# Altium PCB BaseBoard.PcbDoc (part 3 of 3)
Units mm, origin at the board's own origin, x right, y up, seen from the top; angles counter-clockwise.
Board outline 100 x 99.95 mm, 2 copper layers (Top Layer, Bottom Layer), stack 1.57 mm thick; 129 components, 191 nets, 936 pads, 326 vias.
Unrouted connection lines stored in the file: 13.
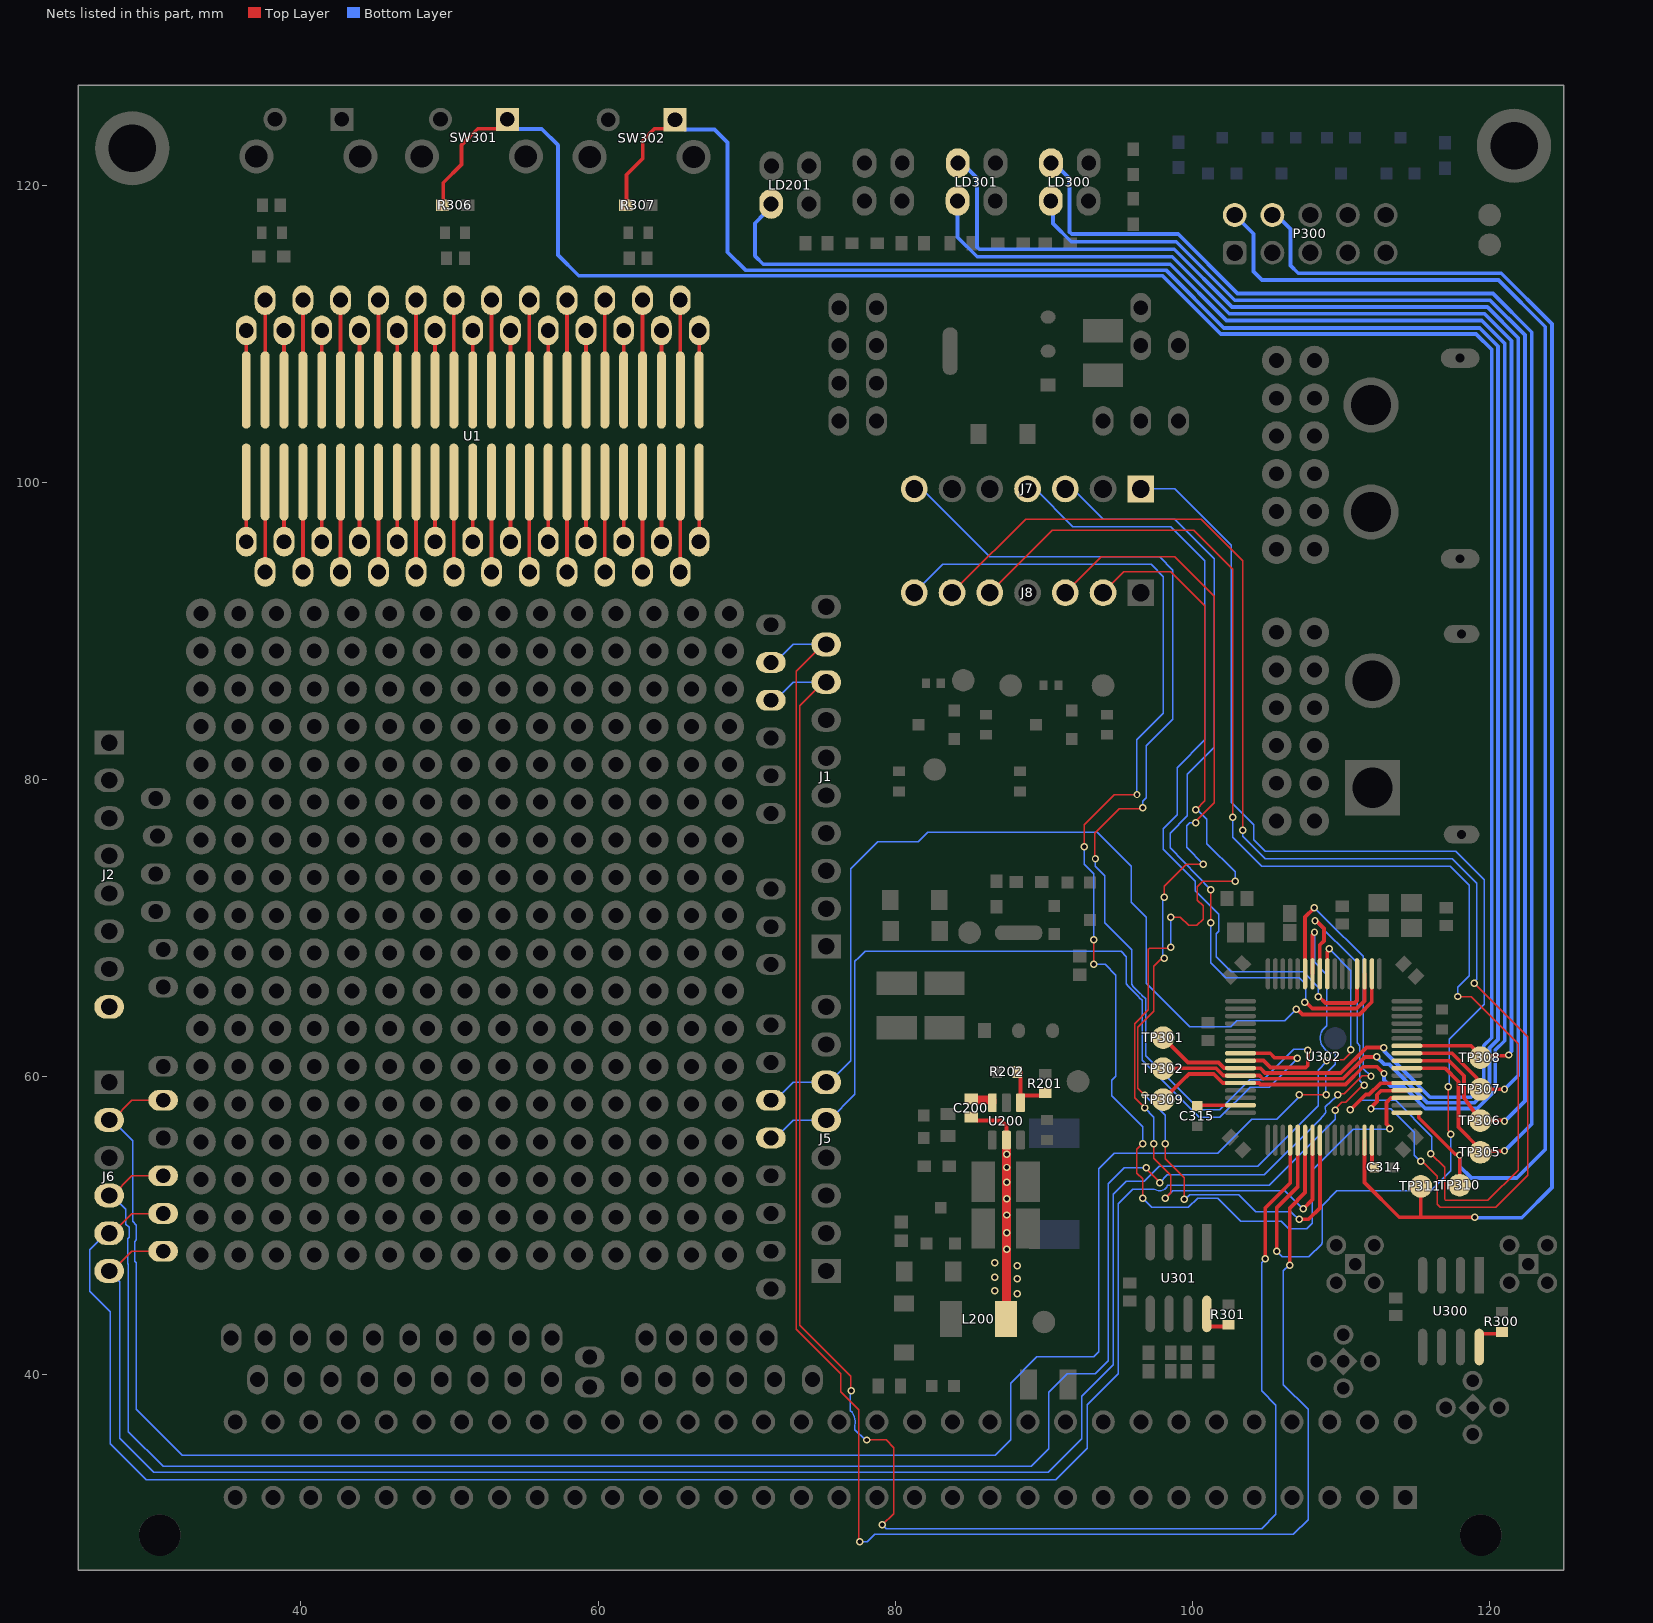
[diagram p3: the nets of this part, all layers, seen from the top]

## Via types
v1: diameter 0.5, hole 0.3, Top Layer to Bottom Layer, tented both sides, 326 vias

## Nets (pads, with @x,y where several pads share a name; then routed paths per layer and width w, separated by ;. In a path a pad name is that pad's centre, name@x,y a point inside that pad or via, vN(x,y) a via of type N, cw(c..) or ccw(c..) an arc to the next point about the centre after c; other vN are vias at no path point) (continued)
PB15: J1.8 pad.604 U302.36 | length 118.9
  Top Layer w0.1: J1.8@75.352,86.557 75.152,86.557 73.56,84.966 73.56,43.28 76.996,39.844 76.996,38.908 v1(77.025,38.879) ; v1(78.08,35.56) 79.375,35.56 79.883,35.052 79.883,30.607 v1(79.121,29.845)
  Top Layer w0.254: v1(104.902,47.752) 104.902,51.181 106.577,52.856 U302.36@106.577,55.734
  Bottom Layer w0.1: pad.604@71.628,85.344 71.928,85.344 73.141,86.557 J1.8@75.352,86.557 ; v1(77.025,38.879) 76.97,38.824 76.97,37.597 76.97,37.556 76.983,37.543 cw(c76.22,36.78) 77.292,36.658 77.284,36.59 77.284,36.254 77.978,35.56 v1(78.08,35.56) ; v1(79.121,29.845) 79.375,29.591 104.648,29.591 105.621,30.564 105.621,30.937 105.621,37.889 104.648,38.862 104.648,47.498 v1(104.902,47.752)
PC0: J6.6 pad.629 U302.8 | length 130.3
  Top Layer w0.1: J6.6@27.092,46.933 27.292,46.933 28.618,48.26 pad.629@30.734,48.26 ; v1(109.018,61.096) 109.086,61.164 110.186,61.164 110.576,61.554 110.576,61.737 v1(110.652,61.814)
  Top Layer w0.254: U302.8@109.077,66.934 109.077,68.417 109.2,68.539 v1(109.2,68.605)
  Bottom Layer w0.1: J6.6@27.092,46.915 27.813,46.194 27.813,35.687 30.099,33.401 90.297,33.401 92.539,35.643 92.539,38.508 94.671,40.64 94.671,52.094 95.537,52.959 96.749,52.959 97.765,53.975 104.394,53.975 108.458,58.039 108.458,60.452 109.018,61.012 v1(109.018,61.096) ; v1(109.2,68.605) 110.652,67.153 v1(110.652,61.814)
PC1: J6.5 pad.628 U302.9 | length 141.5
  Top Layer w0.1: J6.5@27.092,49.473 27.292,49.473 28.618,50.8 pad.628@30.734,50.8 ; v1(109.601,57.742) 109.601,57.851 109.982,58.232 109.982,58.236 110.041,58.295 110.318,58.295 111.332,59.309 111.333,59.309 111.458,59.434 v1(111.566,59.434)
  Top Layer w0.254: v1(108.245,70.511) 108.311,70.511 108.474,70.348 108.844,69.978 108.844,69.142 108.569,68.867 108.569,66.943 U302.9@108.577,66.934
  Bottom Layer w0.1: J6.5@26.979,49.361 J6.5@27.092,49.473 26.892,49.473 25.788,48.369 25.788,45.586 27.178,44.196 27.178,35.306 29.591,32.893 90.805,32.893 92.921,35.009 92.921,37.93 94.996,40.005 94.996,51.458 95.989,52.451 97.437,52.451 ccw(c97.79,52.878) 97.786,52.324 ccw(c97.79,52.781) 97.79,52.324 ccw(c97.79,52.878) 98.3,52.662 98.343,52.705 105.156,52.705 109.601,57.15 v1(109.601,57.742) ; v1(108.245,70.511) 111.077,67.679 111.077,62.278 111.264,62.091 111.264,59.736 v1(111.566,59.434)
PC2: J6.2 pad.625 U302.10 | length 140.7
  Top Layer w0.1: J6.2@27.092,57.093 27.292,57.093 28.618,58.42 pad.625@30.734,58.42 ; v1(107.188,58.805) v1(109.012,58.805)
  Top Layer w0.254: U302.10@108.077,66.934 108.077,69.545 108.213,69.681 v1(108.213,69.717)
  Bottom Layer w0.1: J6.2@27.092,57.093 27.292,57.093 28.679,55.706 28.679,50.275 28.929,50.025 28.929,49.035 28.812,48.918 28.812,47.602 28.929,47.485 28.929,37.619 32.004,34.544 86.741,34.544 87.757,35.56 87.757,39.37 89.535,41.148 93.345,41.148 93.697,41.5 93.697,53.819 94.742,54.864 101.706,54.864 103.974,57.132 105.658,57.132 107.077,58.551 107.077,58.585 107.188,58.697 v1(107.188,58.805) ; v1(108.213,69.717) 108.213,67.699 109.027,66.886 109.027,63.432 108.993,63.398 ccw(c109.605,62.593) 109.605,61.581 109.608,61.577 109.608,60.84 108.966,60.198 108.966,58.851 v1(109.012,58.805)
PC3: J6.4 pad.627 U302.11 | length 144.2
  Top Layer w0.1: J6.4@27.092,52.013 27.292,52.013 28.618,53.34 pad.627@30.734,53.34 ; v1(96.878,53.871) 96.878,53.831 97.79,52.919 v1(97.79,52.878) ; v1(109.766,58.805) 109.819,58.858 110.202,58.858 111.409,60.066 112,60.066 v1(112.014,60.052)
  Top Layer w0.254: U302.11@107.582,66.939 107.577,66.943 107.577,70.747 v1(108.204,71.374)
  Bottom Layer w0.1: J6.4@27.092,52.013 27.292,52.013 28.225,51.08 28.225,50.087 28.448,49.864 28.448,49.196 28.358,49.106 28.358,47.414 28.395,47.377 28.395,46.97 cw(c27.292,46.933) 28.395,46.896 28.395,36.121 28.424,36.092 30.734,33.782 89.154,33.782 90.33,34.958 90.33,38.768 91.567,40.005 93.457,40.005 94.346,40.894 94.346,52.807 95.41,53.871 v1(96.878,53.871) ; v1(97.79,52.878) 98.306,53.394 104.829,53.394 108.56,57.125 ccw(c105.47,60.214) 108.938,57.556 ccw(c105.47,60.214) 108.958,57.583 108.958,57.618 108.949,57.946 108.949,57.989 108.981,58.02 108.983,58.022 109.684,58.649 109.715,58.68 v1(109.766,58.805) ; v1(108.204,71.374) 108.966,70.612 111.477,68.101 111.506,68.072 111.506,61.3 111.506,60.56 v1@112.01,60.056
PC4: J5.5 pad.614 U302.24 | length 59.6
  Top Layer w0.254: U302.24@103.227,61.584 105.229,61.584 105.524,61.29 107.034,61.29 v1(107.061,61.263)
  Bottom Layer w0.1: pad.614@71.628,55.88 71.928,55.88 73.141,57.093 J5.5@75.352,57.093 75.552,57.093 77.28,58.822 77.28,67.764 77.562,68.045 77.57,68.045 77.978,68.453 95.192,68.453 95.552,68.092 95.552,66.258 95.688,66.081 96.34,65.429 cw(c95.837,64.832) 96.434,65.335 96.624,65.145 96.624,61.11 100.459,57.275 101.84,57.275 103.872,59.306 105.157,59.306 107.061,61.21 v1(107.061,61.263)
PC5: J7.7 U302.25 | length 76.3
  Top Layer w0.1: v1(93.472,74.676) 93.415,74.733 93.415,75.549 93.413,75.551 93.413,76.395 95.058,78.04 96.582,78.04 v1(96.647,78.105)
  Top Layer w0.254: U302.25@103.227,61.084 104.14,61.084 104.163,61.107 104.779,61.107 105.255,60.632 107.616,60.632 107.765,60.78 v1(107.765,61.778)
  Bottom Layer w0.1: J7.7@81.788,99.568 86.36,94.996 97.79,94.996 98.679,94.107 98.679,84.074 96.901,82.296 96.901,78.795 96.647,78.541 v1(96.647,78.105) ; v1(93.472,74.676) 93.472,74.168 94.107,73.533 94.107,70.358 95.915,68.55 95.915,66.217 96.018,66.072 96.494,65.596 cw(c95.837,64.832) 96.601,65.489 96.851,65.239 96.851,61.43 100.503,57.778 101.847,57.778 103.859,59.79 104.748,59.79 106.818,61.86 107.507,61.86 107.512,61.855 107.689,61.855 v1(107.765,61.778)
PC6: J7.1 U302.37 | length 88.7
  Top Layer w0.1: v1(117.21,59.345) 117.21,56.393 117.377,56.225 v1(117.377,56.134)
  Top Layer w0.254: v1(105.664,48.26) 105.664,51.181 107.077,52.594 U302.37@107.077,55.734
  Bottom Layer w0.1: J7.1@97.028,99.568 98.806,99.568 102.616,95.758 102.616,78.486 104.14,76.962 104.14,75.946 104.902,75.184 117.729,75.184 119.634,73.279 119.634,64.897 117.271,62.534 117.271,59.406 v1(117.21,59.345) ; v1(105.664,48.26) 106.045,47.879 107.823,47.879 108.684,48.74 108.708,48.764 cw(c109.677,48.666) 108.717,48.831 108.717,51.335 109.707,52.324 116.037,52.324 117.377,53.665 v1(117.377,56.134)
PC7: J1.9 pad.603 U302.38 | length 125.2
  Top Layer w0.1: J1.9@75.352,89.097 75.152,89.097 73.333,87.279 73.333,42.999 76.33,40.002 76.33,38.791 77.526,37.595 77.526,36.874 77.526,36.623 77.526,28.773 v1(77.597,28.702)
  Top Layer w0.254: v1(106.553,47.325) 106.553,51.181 107.577,52.205 U302.38@107.577,55.734
  Bottom Layer w0.1: pad.603@71.628,87.884 71.928,87.884 73.141,89.097 J1.9@75.352,89.097 J1.9@75.552,89.097 ; v1(77.597,28.702) 78.105,28.702 78.613,29.21 106.79,29.21 107.779,30.199 107.779,37.636 106.121,39.294 106.121,46.939 106.507,47.325 v1(106.553,47.325)
PC8: J8.2 U302.39 | length 71.9
  Top Layer w0.1: J8.2@94.615,93.218 95.377,93.98 98.552,93.98 100.838,91.694 100.838,78.573 100.243,77.978 v1(100.222,77.978) ; v1(96.774,57.912) 96.1,58.586 96.1,63.588 97.034,64.522 97.034,68.586 97.114,68.666 98.511,68.666 v1(98.552,68.707) ; v1(97.401,55.499) 97.401,54.526 98.552,53.375 98.552,52.197 v1(98.171,51.816) ; v1(98.552,70.739) 99.183,70.739 99.737,70.185 100.284,70.185 100.711,70.612 100.711,71.501 100.33,71.882 100.33,72.798 100.684,73.152 v1(102.87,73.152)
  Top Layer w0.254: v1(107.45,51.11) 108.077,51.737 U302.39@108.077,55.734
  Bottom Layer w0.1: v1(96.774,57.912) 97.401,57.285 v1(97.401,55.499) ; v1(98.171,51.816) 98.679,52.324 106.219,52.324 107.123,51.42 107.181,51.362 v1(107.45,51.11) ; v1(98.552,68.707) v1(98.552,70.739) ; v1(100.222,77.978) 100.33,77.978 100.965,77.343 100.965,75.692 102.87,73.787 v1(102.87,73.152)
PC9: J8.3 U302.40 | length 72
  Top Layer w0.1: J8.3@92.075,93.218 93.853,94.996 98.806,94.996 101.473,92.329 101.473,78.446 100.222,77.195 v1(100.222,77.089) ; v1(96.799,58.776) 96.327,59.248 96.327,63.33 97.409,64.412 97.409,67.437 97.841,67.869 97.865,67.869 97.982,67.985 v1(98.09,67.985) ; v1(98.09,72.09) 98.09,72.817 99.568,74.295 100.711,74.295 v1(100.722,74.306) ; v1(98.155,55.499) 98.155,54.499 99.444,53.21 v1(99.444,51.77)
  Top Layer w0.254: v1(107.184,50.405) 107.19,50.411 107.815,50.411 108.577,51.173 U302.40@108.577,55.734
  Bottom Layer w0.1: v1(96.799,58.776) 98.155,57.42 v1(98.155,55.499) ; v1(98.09,67.985) 98.013,68.062 98.013,68.229 97.998,68.244 97.998,71.89 98.09,71.982 v1(98.09,72.09) ; v1(99.444,51.77) 99.526,51.77 99.826,52.07 103.124,52.07 104.267,50.927 106.615,50.927 106.842,50.7 v1(107.184,50.405) ; v1(100.222,77.089) 99.822,77.089 99.614,76.881 99.614,75.433 100.711,74.295 v1(100.722,74.306)
PC10: J8.7 U302.51 | length 90.8
  Top Layer w0.1: v1(92.71,75.496) 92.71,76.962 94.742,78.994 96.262,78.994 v1(96.266,78.998) ; v1(93.345,67.564) v1(93.345,69.215) ; v1(96.647,51.816) 96.647,53.14 96.266,53.521 96.266,55.118 v1(96.647,55.499)
  Top Layer w0.254: v1(113.284,56.515) 113.284,56.582 113.05,56.815 113.05,58.282 113.344,58.576 114.419,58.576 U302.51@114.427,58.584
  Bottom Layer w0.1: J8.7@81.915,93.218 83.185,94.488 97.223,94.488 98.044,93.667 98.044,84.455 96.266,82.677 v1(96.266,78.998) ; v1(92.71,75.496) 92.71,74.295 93.345,73.66 v1(93.345,69.215) ; v1(93.345,67.564) 94.122,67.564 94.84,66.846 94.84,60.042 94.573,59.775 94.573,58.728 96.647,56.654 v1(96.647,55.499) ; v1(96.647,51.816) 97.247,51.216 99.73,51.216 100.357,51.843 101.7,51.843 103.251,50.292 105.985,50.292 106.493,49.784 107.696,49.784 108.018,50.106 108.048,50.136 108.077,50.165 108.077,53.721 110.815,56.459 113.228,56.459 v1(113.284,56.515)
PC11: J8.6 U302.52 | length 98.1
  Top Layer w0.1: J8.6@84.455,93.218 88.773,97.536 100.584,97.536 103.389,94.731 v1(103.389,76.592) ; v1(115.353,54.319) 115.462,54.319 116.459,53.321 116.459,51.435 116.686,51.208 120.394,51.208 122.555,53.369 122.555,62.692 v1(118.953,66.294)
  Top Layer w0.254: v1(112.014,57.866) 112.014,57.933 112.42,58.339 112.42,58.799 112.682,59.061 113.472,59.061 113.492,59.061 113.515,59.084 U302.52@114.427,59.084
  Bottom Layer w0.1: v1(103.389,76.592) 103.389,76.189 104.902,74.676 117.475,74.676 119.126,73.025 119.126,66.553 118.953,66.38 v1(118.953,66.294) ; v1(112.014,57.866) 113.33,57.866 114.935,56.261 114.935,54.718 115.335,54.319 v1(115.353,54.319)
PC12: J8.5 U302.53 | length 97
  Top Layer w0.1: J8.5@86.995,93.218 90.551,96.774 100.076,96.774 102.697,94.153 v1(102.697,77.47) ; v1(116.032,54.837) 116.967,53.902 116.967,51.748 117.026,51.689 119.888,51.689 121.92,53.721 121.92,62.23 118.745,65.405 v1(117.856,65.405)
  Top Layer w0.254: v1(110.617,57.785) 110.642,57.785 111.659,58.803 111.885,58.803 112.644,59.561 113.492,59.561 113.515,59.584 U302.53@114.427,59.584
  Bottom Layer w0.1: v1(102.697,77.47) 102.697,76.119 104.648,74.168 117.348,74.168 118.618,72.898 118.618,66.802 117.856,66.04 v1(117.856,65.405) ; v1(110.617,57.785) 111.252,58.42 113.665,58.42 116.111,55.974 116.111,55.193 116.109,55.191 116.109,54.914 v1(116.032,54.837)
PC13: J5.6 pad.613 U302.2 | length 67.8
  Top Layer w0.254: v1(106.972,64.558) 107.039,64.558 107.397,64.2 107.861,64.2 111.24,64.2 112.069,65.028 112.069,66.926 U302.2@112.077,66.934
  Bottom Layer w0.1: pad.613@71.628,58.42 71.928,58.42 73.141,59.633 J5.6@75.352,59.633 75.552,59.633 76.986,61.068 76.986,73.992 78.829,75.835 81.55,75.835 82.169,76.454 93.599,76.454 95.885,74.168 95.885,71.755 96.898,70.742 96.898,66.296 99.821,63.373 102.575,63.373 102.983,63.781 106.195,63.781 v1(106.972,64.558)
PC14: J7.3 U302.3 | length 55.4
  Top Layer w0.1: v1(101.219,70.358) v1(101.219,72.598)
  Top Layer w0.254: v1(107.569,65.024) 107.634,65.024 108.066,64.592 111.054,64.592 111.569,65.107 111.569,66.926 U302.3@111.577,66.934
  Bottom Layer w0.1: J7.3@91.948,99.568 93.98,97.536 98.806,97.536 101.473,94.869 101.473,82.169 99.655,80.351 99.655,77.557 98.506,76.408 98.506,75.4 v1(101.219,72.598) ; v1(101.219,70.358) 101.219,67.691 102.235,66.675 107.188,66.675 107.631,66.232 107.631,65.086 v1(107.569,65.024)
PC15: J7.4 U302.4 | length 55.9
  Top Layer w0.254: v1(108.473,65.389) 108.533,65.389 108.949,64.973 110.896,64.973 111.069,65.145 111.069,66.926 U302.4@111.077,66.934
  Bottom Layer w0.1: J7.4@89.408,99.568 91.948,97.028 98.552,97.028 100.838,94.742 100.838,82.677 98.967,80.806 98.967,77.631 98.044,76.708 98.044,75.311 100.203,73.152 100.203,72.517 101.773,70.947 101.773,69.797 101.6,69.624 101.6,68.072 102.616,67.056 107.442,67.056 108.473,66.025 v1(108.473,65.389)
PR1: pad.576 U1.1@36.322,100.024 | length 4
  Top Layer w0.254: pad.576@36.322,96.012 U1.1@36.322,100.024
PR2: pad.577 U1.2@37.592,100.024 | length 6
  Top Layer w0.254: pad.577@37.592,93.98 U1.2@37.592,100.024
PR3: pad.578 U1.3@38.862,100.024 | length 4
  Top Layer w0.254: pad.578@38.862,96.012 U1.3@38.862,100.024
PR4: pad.579 U1.4@40.132,100.024 | length 6
  Top Layer w0.254: pad.579@40.132,93.98 U1.4@40.132,100.024
PR5: pad.580 U1.5 | length 4
  Top Layer w0.254: pad.580@41.402,96.012 U1.5@41.402,100.024
PR6: pad.581 U1.6 | length 6
  Top Layer w0.254: pad.581@42.672,93.98 U1.6@42.672,100.024
PR7: pad.582 U1.7 | length 4
  Top Layer w0.254: pad.582@43.942,96.012 U1.7@43.942,100.024
PR8: pad.583 U1.8 | length 6
  Top Layer w0.254: pad.583@45.212,93.98 U1.8@45.212,100.024
PR9: pad.584 U1.9 | length 4
  Top Layer w0.254: pad.584@46.482,96.012 U1.9@46.482,100.024
PR10: pad.585 U1.10 | length 6
  Top Layer w0.254: pad.585@47.752,93.98 U1.10@47.752,100.024
PR11: pad.586 U1.11 | length 4
  Top Layer w0.254: pad.586@49.022,96.012 U1.11@49.022,100.024
PR12: pad.587 U1.12 | length 6
  Top Layer w0.254: pad.587@50.292,93.98 U1.12@50.292,100.024
PR13: pad.588 U1.13 | length 4
  Top Layer w0.254: pad.588@51.562,96.012 U1.13@51.562,100.024
PR14: pad.589 U1.14 | length 6
  Top Layer w0.254: pad.589@52.832,93.98 U1.14@52.832,100.024
PR15: pad.590 U1.15 | length 4
  Top Layer w0.254: pad.590@54.102,96.012 U1.15@54.102,100.024
PR16: pad.591 U1.16 | length 6
  Top Layer w0.254: pad.591@55.372,93.98 U1.16@55.372,100.024
PR17: pad.592 U1.17 | length 4
  Top Layer w0.254: pad.592@56.642,96.012 U1.17@56.642,100.024
PR18: pad.593 U1.18 | length 6
  Top Layer w0.254: pad.593@57.912,93.98 U1.18@57.912,100.024
PR19: pad.594 U1.19 | length 4
  Top Layer w0.254: pad.594@59.182,96.012 U1.19@59.182,100.024
PR20: pad.595 U1.20 | length 6
  Top Layer w0.254: pad.595@60.452,93.98 U1.20@60.452,100.024
PR21: pad.596 U1.21 | length 4
  Top Layer w0.254: pad.596@61.722,96.012 U1.21@61.722,100.024
PR22: pad.597 U1.22 | length 6
  Top Layer w0.254: pad.597@62.992,93.98 U1.22@62.992,100.024
PR23: pad.598 U1.23 | length 4
  Top Layer w0.254: pad.598@64.262,96.012 U1.23@64.262,100.024
PR24: pad.599 U1.24 | length 6
  Top Layer w0.254: pad.599@65.532,93.98 U1.24@65.532,100.024
PR25: pad.600 U1.25 | length 4
  Top Layer w0.254: pad.600@66.802,96.012 U1.25@66.802,100.024
PR26: pad.575 U1.26 | length 4
  Top Layer w0.254: U1.26@66.802,106.224 pad.575@66.802,110.236
PR27: pad.574 U1.27 | length 6
  Top Layer w0.254: U1.27@65.532,106.224 pad.574@65.532,112.268
PR28: pad.573 U1.28 | length 4
  Top Layer w0.254: U1.28@64.262,106.224 pad.573@64.262,110.236
PR29: pad.572 U1.29 | length 6
  Top Layer w0.254: U1.29@62.992,106.224 pad.572@62.992,112.268
PR30: pad.571 U1.30 | length 4
  Top Layer w0.254: U1.30@61.722,106.224 pad.571@61.722,110.236
PR31: pad.570 U1.31 | length 6
  Top Layer w0.254: U1.31@60.452,106.224 pad.570@60.452,112.268
PR32: pad.569 U1.32 | length 4
  Top Layer w0.254: U1.32@59.182,106.224 pad.569@59.182,110.236
PR33: pad.568 U1.33 | length 6
  Top Layer w0.254: U1.33@57.912,106.224 pad.568@57.912,112.268
PR34: pad.567 U1.34 | length 4
  Top Layer w0.254: U1.34@56.642,106.224 pad.567@56.642,110.236
PR35: pad.566 U1.35 | length 6
  Top Layer w0.254: U1.35@55.372,106.224 pad.566@55.372,112.268
PR36: pad.565 U1.36 | length 4
  Top Layer w0.254: U1.36@54.102,106.224 pad.565@54.102,110.236
PR37: pad.564 U1.37 | length 6
  Top Layer w0.254: U1.37@52.832,106.224 pad.564@52.832,112.268
PR38: pad.563 U1.38 | length 4
  Top Layer w0.254: U1.38@51.562,106.224 pad.563@51.562,110.236
PR39: pad.562 U1.39 | length 6
  Top Layer w0.254: U1.39@50.292,106.224 pad.562@50.292,112.268
PR40: pad.561 U1.40 | length 4
  Top Layer w0.254: U1.40@49.022,106.224 pad.561@49.022,110.236
PR41: pad.560 U1.41 | length 6
  Top Layer w0.254: U1.41@47.752,106.224 pad.560@47.752,112.268
PR42: pad.559 U1.42 | length 4
  Top Layer w0.254: U1.42@46.482,106.224 pad.559@46.482,110.236
PR43: pad.558 U1.43 | length 6
  Top Layer w0.254: U1.43@45.212,106.224 pad.558@45.212,112.268
PR44: pad.557 U1.44 | length 4
  Top Layer w0.254: U1.44@43.942,106.224 pad.557@43.942,110.236
PR45: pad.556 U1.45 | length 6
  Top Layer w0.254: U1.45@42.672,106.224 pad.556@42.672,112.268
PR46: pad.555 U1.46 | length 4
  Top Layer w0.254: U1.46@41.402,106.224 pad.555@41.402,110.236
PR47: pad.554 U1.47 | length 6
  Top Layer w0.254: U1.47@40.132,106.224 pad.554@40.132,112.268
PR48: pad.553 U1.48 | length 4
  Top Layer w0.254: U1.48@38.862,106.224 pad.553@38.862,110.236
PR49: pad.552 U1.49 | length 6
  Top Layer w0.254: U1.49@37.592,106.224 pad.552@37.592,112.268
PR50: pad.551 U1.50 | length 4
  Top Layer w0.254: U1.50@36.322,106.224 pad.551@36.322,110.236
RS1: R300.2 U300.8 | length 2
  Top Layer w0.254: U300.8@119.47,42.532 119.389,42.451 119.3,42.362 119.3,42.54 119.381,42.621 119.47,42.71 R300.2@120.817,42.71
RS2: R301.2 U301.8 | length 2.4
  Top Layer w0.254: U301.8@100.965,44.043 100.965,43.363 101.135,43.193 R301.2@102.413,43.193 ; U301.8@100.965,44.402 U301.8@101.135,44.572
SW_5V: C200.2 L200.1 U200.2 | length 15.5
  Top Layer w0.254: C200.2@85.281,57.31 85.525,57.065 86.379,57.065 86.384,57.06 87.13,57.06 87.477,56.713 U200.2@87.477,55.746
  Top Layer w0.6: L200.1@87.45,43.7 87.472,43.722 87.472,55.741 U200.2@87.477,55.746
  other v1: 88.2,45.4 86.7,45.6 88.2,46.4 86.7,46.5 88.2,47.3 86.7,47.5 87.5,48.4 87.5,49.5 87.5,50.7 87.5,51.8 87.5,52.9 87.5,53.9 87.5,54.8
SWCLK: P300.2 TP310.1 U302.49 | length 95.5
  Top Layer w0.254: U302.49@114.427,57.584 115.205,57.584 115.226,57.563 115.226,57.24 117.682,54.784 117.936,54.784 v1(117.983,54.737) TP310.1@117.983,52.705
  Bottom Layer w0.254: P300.2@102.84,118 104.1,116.74 104.1,114.2 104.676,113.624 120.597,113.624 123.742,110.479 123.742,55.112 121.818,53.188 118.77,53.188 117.983,53.975 v1(117.983,54.737)
SWDIO: P300.4 TP311.1 U302.46 | length 101.3
  Top Layer w0.254: U302.46@111.577,55.734 111.577,54.386 111.576,54.384 111.576,53.413 111.577,53.412 111.577,52.888 113.919,50.546 115.316,50.546 ; TP311.1@115.169,52.132 115.169,52.233 TP311.1@115.367,52.629 115.367,50.597 115.316,50.546 ; v1(118.999,50.546) 115.316,50.546
  Bottom Layer w0.254: P300.4@105.38,118 105.663,118 106.6,117.063 106.6,114.6 107.122,114.078 120.785,114.078 124.196,110.667 124.196,52.556 122.161,50.521 119.024,50.521 v1(118.999,50.546)
USER_BUTTON_0: R306.1 SW301.1 TP301.1 U302.26 | length 160.4
  Top Layer w0.254: R306.1@49.575,118.659 49.575,120.175 50.8,121.4 50.8,122.7 51.9,123.8 53.248,123.8 SW301.1@53.89,124.442 ; TP301.1@98.026,62.636 99.703,60.96 101.745,60.96 102.111,60.593 103.219,60.593 U302.26@103.227,60.584 104.555,60.584 104.889,60.251 109.981,60.251 111.703,61.973 112.858,61.973 v1(112.883,61.947) ; TP301.1@98.571,62.427 TP301.1@98.571,62.636
  Bottom Layer w0.254: SW301.1@53.89,124.442 54.538,123.794 56.206,123.794 57.3,122.7 57.3,115.3 58.693,113.907 97.993,113.907 101.9,110 119.085,110 120.142,108.943 120.142,62.634 119.607,62.099 119.607,59.491 118.746,58.63 115.995,58.63 114.443,60.182 112.93,61.695 112.93,61.9 v1(112.883,61.947)
USER_BUTTON_1: R307.1 SW302.1 TP302.1 U302.27 | length 148.3
  Top Layer w0.254: R307.1@61.905,118.659 61.905,120.705 63,121.8 63,123 63.8,123.8 64.571,123.8 SW302.1@65.18,124.409 ; TP302.1@98.026,60.551 98.054,60.579 101.587,60.579 102.073,60.093 103.219,60.093 U302.27@103.227,60.084 104.517,60.084 104.732,59.87 110.139,59.87 111.611,61.341 v1(112.395,61.341)
  Bottom Layer w0.254: SW302.1@65.18,124.409 65.828,123.761 67.839,123.761 68.711,122.889 68.711,115.489 69.912,114.288 98.212,114.288 102.1,110.4 119.327,110.4 120.566,109.161 120.566,62.519 119.988,61.941 119.988,59.27 118.967,58.249 115.822,58.249 113.217,60.854 112.882,60.854 v1(112.395,61.341)
USER_LED_0: LD201.3 TP309.1 U302.28 | length 132.5
  Top Layer w0.254: TP309.1@98.026,58.465 99.293,59.732 99.76,60.198 101.429,60.198 102.034,59.593 104.131,59.593 104.149,59.576 104.487,59.576 104.574,59.489 110.297,59.489 111.491,60.683 112.429,60.683 v1(112.888,60.223)
  Bottom Layer w0.254: LD201.3@71.19,118.235 71.19,118.124 71.208,118.106 70.551,117.449 70.551,115.25 71.12,114.681 98.503,114.681 102.284,110.9 119.469,110.9 121.018,109.351 121.018,62.433 120.369,61.783 120.369,59.077 119.16,57.868 115.664,57.868 114.159,59.373 113.308,59.373 112.888,59.793 v1(112.888,60.223)
USER_LED_1: LD300.1 TP305.1 U302.55 | length 106.3
  Top Layer w0.254: U302.55@114.427,60.584 116.985,60.584 117.896,59.673 117.896,56.602 119.372,55.126 TP305.1@119.372,54.921 ; TP305.1@119.372,54.991 120.953,54.991 v1(121,55.038)
  Bottom Layer w0.254: LD300.1@90.481,122.011 90.481,121.701 91.726,120.456 91.726,116.862 91.875,116.713 99.039,116.713 103.036,112.716 120.221,112.716 122.834,110.103 122.834,56.834 121.038,55.038 v1(121,55.038)
USER_LED_2: LD300.3 TP306.1 U302.56 | length 99.8
  Top Layer w0.254: U302.56@114.427,61.084 114.436,61.076 117.278,61.076 118.277,60.076 118.277,58.599 119.372,57.077 120.923,57.077 v1(121,57)
  Bottom Layer w0.254: LD300.3@90.464,119.514 90.616,119.362 90.616,117.433 91.844,116.205 98.905,116.205 102.848,112.262 120.033,112.262 122.38,109.915 122.38,58.38 v1(121,57)
USER_LED_3: LD301.1 TP307.1 U302.57 | length 104.6
  Top Layer w0.254: U302.57@114.427,61.584 117.47,61.584 119.129,59.925 119.129,59.396 TP307.1@119.372,59.153 119.372,59.165 v1(121,59.165)
  Bottom Layer w0.254: LD301.1@83.981,122.011 85.5,120.492 85.5,115.846 85.649,115.697 98.771,115.697 102.66,111.808 119.845,111.808 121.926,109.727 121.926,60.091 v1(121,59.165)
USER_LED_4: LD301.3 TP308.1 U302.58 | length 99.2
  Top Layer w0.254: U302.58@114.427,62.084 118.755,62.084 119.372,61.468 TP308.1@119.372,61.295 119.498,61.421 121.238,61.421 v1(121.285,61.468)
  Bottom Layer w0.254: LD301.3@83.964,118.44 LD301.3@83.964,119.514 ; LD301.3@84.192,118.949 84.192,116.508 85.511,115.189 98.637,115.189 102.472,111.354 119.657,111.354 121.472,109.539 121.472,61.722 121.285,61.535 v1(121.285,61.468)
VBST_5V: C200.1 U200.6 | length 1.5
  Top Layer w0.254: C200.1@85.281,58.494 C200.1@85.288,58.502
  Top Layer w0.6: C200.1@85.281,58.51 85.288,58.502 85.356,58.435 86.522,58.435 86.527,58.43 U200.6@86.527,58.256
VCAP_1: C315.1 U302.31 | length 2
  Top Layer w0.254: C315.1@100.606,58.089 102.567,58.089 U302.31@102.571,58.092
VCAP_2: C314.1 U302.47 | length 1.8
  Top Layer w0.254: U302.47@112.071,55.638 U302.47@112.077,55.632 ; U302.47@112.077,55.734 112.086,55.726 112.086,54.243 C314.1@112.303,54.026
VFB_5V: R201.1 R202.2 U200.4 | length 3.9
  Top Layer w0.254: U200.4@88.427,58.256 U200.4@88.427,58.573 ; R202.2@88.43,60.329 88.427,60.326 U200.4@88.427,58.573 ; R201.1@90.195,58.741 88.595,58.741 U200.4@88.427,58.573
VIN: J2.8
pads on no net: J9.S1 J9.S2 J100. J100.A2 J100.A3 J100.A5 J100.A6 J100.A8 J100.A9 P300.3 U300.5 U301.5

## Polygon pours and split planes (outlines as drawn)
GND on Top Layer "GND_ALL" (solid, remove dead copper, pour order 97): 25,126.8 125,126.8 125,26.797 25,26.797 25,38.7 77.4,38.7 77.4,75.2 119.634,75.2 119.634,108.763 119.024,109.55 101.637,109.55 97.587,113.6 96.1,113.6 25,113.6
12V_FUSED on Top Layer "12vinFUSED" (solid, pour order 95): 90.5,37.6 90.8,37.9 94.1,37.9 95.3,39.1 95,39.4 95,57.6 89.6,57.6 89.6,55.1 93.2,51.5 93.2,42.3 90.5,42.3
NetC207_1 on Top Layer "NONET_L01_P-001" (solid, pour order 89): 80.4,73.9 80.4,67.4 85.1,67.4 87,65.5 87,62 89.9,62 89.9,63.9 93.5,63.9 93.5,66 91.6,66 91.6,69.1 91.3,69.4 91.3,70.8 91.1,71 86.1,71 86.1,73.9
LDO_OUT on Top Layer "NONET_L01_P-001" (solid, pour order 111): 88.9,113.284 88.9,109.728 91.44,109.728 91.44,107.696 88.9,107.696 88.9,104.648 87.376,104.648 87.376,101.6 74.168,101.6 74.168,113.284
GND on Top Layer "NONET_L01_P-001" (solid, pour order 109): 67.691,45.974 66.675,45.974 66.675,43.942 70.104,43.942 70.231,44.069 70.231,49.022 67.691,49.022
GND on Top Layer "NONET_L01_P-001" (solid, pour order 108): 25.4,70.866 28.321,70.866 29.464,69.723 31.877,69.723 31.877,65.151 28.956,65.151 28.194,65.913 25.4,65.913
GND on Top Layer "NONET_L01_P-001" (solid, pour order 106): 118.872,109.22 115.062,109.22 115.062,75.819 115.189,75.692 118.999,75.692 119.38,76.073 119.38,108.585
5v on Top Layer "NONET_L01_P-001" (solid, pour order 105): 92.456,113.157 92.456,108.839 95.631,108.839 97.917,106.553 101.6,106.553 101.6,109.22 97.663,113.157
GND on Top Layer "NONET_L01_P-001" (solid, pour order 103): 92.456,108.204 95.504,108.204 95.504,106.172 101.6,106.172 101.6,101.6 89.408,101.6 88.392,102.616 88.392,103.894 89.162,103.894 89.787,104.519 89.787,106.86 92.456,106.86
EXT_OUT- on Top Layer "NONET_L01_P-001" (solid, pour order 102): 114.808,102.108 104.648,102.108 104.648,109.22 114.808,109.22
EXT_OUT+ on Top Layer "NONET_L01_P-001" (solid, pour order 101): 114.808,94.488 104.648,94.488 104.648,101.6 114.808,101.6
EXT_PWR- on Top Layer "NONET_L01_P-001" (solid, pour order 100): 104.648,90.932 104.648,83.82 114.808,83.82 114.808,90.932
EXT_PWR+ on Top Layer "NONET_L01_P-001" (solid, pour order 99): 104.648,83.312 114.808,83.312 114.808,75.692 105.156,75.692 104.648,76.2
12V_UNPROTECTED on Top Layer "VIN_FISE" (solid, pour order 80): 90.2,40.5 90.2,29.5 85.1,29.5 85.1,40.5
5v on Top Layer "NONET_L01_P-001" (solid, pour order 96): 79.1,64.6 85.3,64.6 85.3,62 79.1,62
5v on Top Layer "5V_out" (solid, pour order 60): 82.681,53.01 82.681,49.61 84.681,49.61 84.681,53.01
5v on Top Layer "5V_out2" (solid, pour order 72): 78.6,51.41 81.2,51.41 81.2,64.6 78.6,64.6
5v_VIN on Top Layer "3V3_BUCK_vin" (solid, pour order 73): 88.081,56.41 88.081,48.31 88.8,47.591 88.8,42.5 93,42.5 93,51.291 89.381,54.91 89.381,56.41
SW_5V on Top Layer "SW5v_top" (solid, pour order 75): 86.2,42.5 86.2,47.9 88.2,47.9 88.6,47.5 88.6,42.5
GND on Top Layer "GND_5v_buck_TOP" (solid, pour order 79): 81.3,42.5 81.3,47.8 79.2,47.8 79.2,42.5
GND on Bottom Layer "GND_ALL" (solid, remove dead copper, pour order 93): 25,126.8 125,126.8 125,27 25,27 25,38.7 77.4,38.7 77.4,75.2 98.7,75.2 114.935,75.2 114.935,109.5 101.6,109.5 97.5,113.6 25,113.6
3,3V on Bottom Layer "NONET_L01_P-001" (solid, pour order 107): 31.242,74.803 31.242,72.39 29.083,72.39 27.94,73.533 25.273,73.533 25.273,81.28 27.813,81.28 29.337,79.756 31.242,79.756 31.496,79.502 31.496,77.47 31.369,77.343 28.829,77.343 28.829,74.803
GND on Bottom Layer "NONET_L01_P-001" (solid, pour order 112): 92.964,108.204 92.964,101.6 101.6,101.6 101.6,106.172 95.504,106.172 95.504,108.204
LDO_OUT on Bottom Layer "NONET_L01_P-001" (solid, pour order 98): 92.625,113.284 92.625,101.6 74.168,101.6 74.168,113.284
GND on Bottom Layer "NONET_L01_P-001" (solid, pour order 110): 70.231,43.815 66.675,43.815 66.675,45.593 70.231,45.593
5v_VIN on Bottom Layer "5v_vin_bottom" (solid, pour order 92): 88.8,50.4 93,50.4 93,42.5 88.8,42.5
12V_FUSED on Bottom Layer "5v_VIN_bottom" (solid, pour order 87): 89,55.2 89,57.9 93,57.9 92.999,57.899 92.999,51.667 92.983,51.667 89.449,55.2
5v on Bottom Layer "5v_OUT_BTM" (solid, pour order 61): 84.681,53.01 81.181,53.01 81.181,54.51 79.1,54.51 79.1,51.41 82.681,51.41 82.681,49.61 84.681,49.61
SW_5V on Bottom Layer "SW_5v_buck" (solid, pour order 74): 86.281,56.41 88.581,56.41 88.581,44.61 86.281,44.61
GND on Bottom Layer "GND_buck5v_bottom" (solid, pour order 76): 79.2,42.5 79.2,47.8 85.9,47.8 85.9,42.5

## Other copper
Top Layer:
  pour cut-out: 117.467,29.174 ccw(c119.407,29.174) 119.407,27.234 ccw(c119.407,29.174) 121.347,29.174 ccw(c119.407,29.174) 119.407,31.114 ccw(c119.407,29.174)
  pour cut-out: 28.56,29.16 ccw(c30.5,29.16) 30.5,27.22 ccw(c30.5,29.16) 32.44,29.16 ccw(c30.5,29.16) 30.5,31.1 ccw(c30.5,29.16)
  pour cut-out: 36.906,37.234 36.906,32.55 37.022,32.434 37.08,32.492 76.576,32.492 76.576,37.002 76.344,37.234
Bottom Layer:
  pour cut-out: 32.4,29.204 cw(c30.46,29.204) 30.46,27.264 cw(c30.46,29.204) 28.52,29.204 cw(c30.46,29.204) 30.46,31.144 cw(c30.46,29.204)
  pour cut-out: 121.375,29.134 cw(c119.435,29.134) 119.435,27.194 cw(c119.435,29.134) 117.495,29.134 cw(c119.435,29.134) 119.435,31.074 cw(c119.435,29.134)

## Silkscreen, mask and mechanical layers (free items; w line width, h text height)
Top Overlay:
  circle w0.254: c27.051,96.52 r2.069
  circle w0.254: c75.362,95.174 r2.085
  circle w0.254: c32.158,44.382 r2.221
  circle w0.254: c60.123,44.387 r2.253
  circle w0.25: c25.566,99.77 r0.125
  lines w0.1: 104.14,102.108 104.14,93.865 110.164,93.865 ; 104.14,109.474 104.14,101.856 110.159,101.856 110.159,101.777 ; 104.394,75.184 104.394,83.535 110.236,83.535 110.236,83.058 ; 104.394,83.058 104.394,90.678 104.524,90.808 110.26,90.808
  lines w0.2: 70.8,116.4 71.291,116.4 71.747,116.4 ; 71.291,115.9 71.291,116.9
  lines w0.254: 25,113.676 125.058,113.676 ; 25.4,93.726 25.908,94.234 25.908,91.821 ; 25.781,87.884 31.242,87.884 30.48,87.122 ; 25.998,40.333 34.761,40.333 ; 26.289,107.061 34.798,107.061 34.163,106.426 ; 34.253,39.825 34.761,40.333 ; 34.253,40.841 34.761,40.333 ; 40,117.296 44.771,117.296 ; 44.196,44.704 56.896,44.704 56.388,44.196 ; 52.394,117.296 57.106,117.296 ; 64.74,117.296 69.012,117.296 ; 70.231,96.393 73.025,96.393 72.644,96.012 ; 70.264,115.318 70.264,117.3 ; 70.282,115.3 72.411,115.3 72.411,117.3 ; 70.485,66.294 70.231,66.294 70.231,71.374 70.866,71.374 73.66,71.374 ; 73.025,66.294 73.533,66.294 ; 74.168,113.538 74.168,101.6 77.47,101.6 ; 77.4,38.4 77.4,75.235 115.865,75.235 118.923,75.235 119.634,75.946 119.634,108.966 119.126,109.474 101.854,109.474 ; 84.025,85.501 84.025,85.858 84.963,84.92 84.963,82.55 85.979,81.534 92.636,81.534 93.21,80.96 ; 88.636,85.818 88.836,85.618 88.836,85.447 ; 90.8,74.3 90.8,75.2 ; 91.9,41.4 92.3,41 92.3,44.7 ; 92.583,85.214 92.583,85.598 ; 92.9,44.7 92.9,41 93.3,41.4 ; 93.101,85.592 93.094,85.598 92.583,85.598 ; 93.218,80.518 93.218,84.963 92.583,85.598 ; 93.6,72.3 100,72.3 100.1,72.4 100.1,75.2 ; 97.79,113.538 101.854,109.474 ; 77.47,87.63 77.47,101.346 77.47,101.6 ; 77.47,87.63 77.47,75.692 101.854,75.692 101.854,87.63 ; 77.47,87.63 94.234,87.63 101.854,87.63 ; 77.47,101.6 101.854,101.6 ; 101.854,87.63 101.854,89.662 101.854,101.6 ; 101.854,101.6 101.854,101.6 ; 101.854,101.6 101.854,109.474 ; 67.945,105.41 73.66,105.41 73.66,109.347 67.945,109.347 67.945,105.41 ; 78.6,54.8 84.4,54.8 84.4,58.9 78.6,58.9 78.6,54.8 ; 91.059,76.2 99.187,76.2 99.187,80.264 99.06,80.391 91.059,80.391 91.059,76.2
  text "RST" at 40.383,117.813 h0.8
  text "B0" at 53.245,117.813 h0.8
  text "B1" at 65.617,117.813 h0.8
  text "PROTO" at 68.58,107.696 h1
  text "IC BREAKOUT" at 26.416,107.569 h0.8
  text "BRD" at 68.58,106.045 h1
  text "1.27" at 26.438,104.991 h1.52
  text "ARDU" at 70.485,98.044 h0.8
  text "EXT OUT" at 124.027,96.97 h1.52 r90
  text "SHLD" at 70.485,96.901 h0.8
  text "PC05" at 81.661,94.742 h0.8 r90
  text "PB11" at 84.212,94.742 h0.8 r90
  text "PB07" at 86.764,94.742 h0.8 r90
  text "PC15" at 89.315,94.742 h0.8 r90
  text "PC14" at 91.867,94.742 h0.8 r90
  text "PA15" at 94.418,94.742 h0.8 r90
  text "PC06" at 96.969,94.742 h0.8 r90
  text "ARDU" at 26.67,93.091 h0.8
  text "SHLD" at 26.67,91.948 h0.8
  text "A9" at 73.787,89.789 h0.8 r90
  text "2.54" at 25.975,88.382 h1.52
  text "PC10" at 81.661,88.138 h0.8 r90
  text "PC11" at 84.196,88.138 h0.8 r90
  text "PC12" at 86.73,88.138 h0.8 r90
  text "PD02" at 89.265,88.138 h0.8 r90
  text "PC09" at 91.799,88.138 h0.8 r90
  text "PC08" at 94.334,88.138 h0.8 r90
  text "PA01" at 96.868,88.138 h0.8 r90
  text "C7" at 73.787,87.122 h0.8 r90
  text "HDR" at 25.938,86.244 h1.2
  text "B15" at 73.787,84.328 h0.8 r90
  text "A7" at 73.787,82.169 h0.8 r90
  text "N/C" at 28.829,82.042 h0.8
  text "3.3" at 28.702,79.883 h0.8
  text "A6" at 73.787,79.502 h0.8 r90
  text "To bypass" at 91.567,79.134 h0.8
  text "EXT IN" at 123.993,78.845 h1.52 r90
  text "Solder" at 91.694,77.978 h0.8
  text "NRST" at 28.702,77.089 h0.8
  text "A5" at 73.787,76.962 h0.8 r90
  text "Level Shifter" at 78.74,76.974 h0.8 r90
  text "J3 J4" at 91.694,76.581 h0.8
  text "GND" at 71.374,75.184 h0.8
  text "3.3" at 28.702,74.549 h0.8
  text "3v3" at 71.374,73.787 h0.8
  text "3v3" at 97.254,73.754 h0.8
  text "5v" at 28.702,72.009 h0.8
  text "D" at 73.152,69.723 h0.8
  text "C" at 73.025,67.183 h0.8
  text "GND" at 29.464,66.294 h0.8 r90
  text "iic" at 70.836,65.745 h0.8
  text "N/C" at 28.702,64.135 h0.8
  text "A3" at 73.66,62.865 h0.8 r90
  text "A2" at 73.66,60.325 h0.8 r90
  text "A0" at 29.464,59.944 h0.8 r90
  text "C2" at 29.464,57.658 h0.8 r90
  text "C13" at 73.787,57.404 h0.8 r90
  text "VIN FUSE" at 92.583,56.388 h1.4 r270
  text "5v" at 79.846,55.954 h0.8 r90
  text "C4" at 73.787,55.245 h0.8 r90
  text "A4" at 29.464,55.118 h0.8 r90
  text "C3" at 29.464,52.578 h0.8 r90
  text "A10" at 73.787,52.451 h0.8 r90
  text "C1" at 29.464,50.292 h0.8 r90
  text "B14" at 73.787,49.657 h0.8 r90
  text "C0" at 29.464,47.498 h0.8 r90
  text "B10" at 73.787,46.99 h0.8 r90
  text "ARDU" at 35.052,45.593 h0.8
  text "ARDU" at 62.815,45.504 h0.8
  text "ARDUINO SHLD MNT" at 44.487,45.222 h0.8
  text "A8" at 73.787,44.958 h0.8 r90
  text "SHLD" at 35.052,44.45 h0.8
  text "SHLD" at 62.815,44.361 h0.8
  text "L" at 33.184,40.727 h0.8
  text "AMS GPIO" at 26.025,39.136 h0.8
  text "R" at 33.203,39.04 h0.8
  text "12V" at 84.854,38.754 h0.8
Bottom Overlay:
  circle w0.254: c80.137,88.392 r0.424
  lines w0.254: 24.906,113.661 124.906,113.661 ; 29.845,106.553 31.115,105.283 ; 30.607,105.283 31.115,105.283 ; 31.115,105.918 31.115,105.283 ; 31.75,103.505 31.242,102.997 30.988,102.997 30.734,103.251 30.734,103.759 31.115,104.14 32.385,102.87 ; 43.307,98.171 43.307,108.077 ; 45.593,101.854 69.596,101.854 ; 77.4,75.235 115.865,75.235 118.923,75.235 119.634,75.946 119.634,108.966 119.126,109.474 101.854,109.474 97.663,113.665 ; 79.576,89.89 79.176,89.89 79.176,85.068 85.522,85.068 ; 85.522,84.658 79.176,84.658 79.176,82.347 95.377,82.347 ; 88.188,51.093 88.248,51.152 ; 92.202,38.2 92.202,44.21 92.511,44.21 ; 94.85,45.85 95.3,45.4 95.321,45.4 95.321,49.153 102.6,49.153 ; 95.377,81.788 79.207,81.788 79.207,78.232 98.298,78.232 98.298,81.915 97.536,81.915 ; 96.15,45.85 95.7,45.4 95.68,45.4 95.68,48.737 95.688,48.728 95.701,48.742 102.5,48.742 ; 97.451,56.852 97.455,56.848 ; 97.548,82.351 98.276,82.351 98.276,84.639 98.276,84.825 97.693,84.825 ; 97.588,51.159 97.591,51.162 ; 97.688,85.199 98.276,85.199 98.276,89.89 97.776,89.89 ; 98.03,44.33 98.328,44.33 98.328,38.3 ; 98.033,51.162 98.077,51.206 ; 98.077,56.838 98.087,56.848 ; 99.523,38.3 99.523,44.33 100.011,44.33 ; 102.278,46.59 102.666,46.203 102.666,49.888 102.322,49.544 ; 103.464,46.571 103.084,46.19 103.084,49.908 103.086,49.908 103.478,49.516 ; 105.453,44.267 105.901,44.267 ; 105.8,53 106.6,53 107.2,52.4 107.2,51.3 ; 105.9,38.3 105.9,44.266 ; 106.736,38.284 106.7,44.2 107.8,44.2 ; 107.435,46.522 107.823,46.134 107.823,48.645 107.477,48.299 107.466,48.299 ; 108.622,46.502 108.241,46.122 108.241,48.663 108.633,48.271 ; 113,44.1 114.3,44.1 ; 114.088,50.393 114.088,56.123 115.157,56.123 ; 114.148,50.452 120.293,50.452 ; 123.355,56.148 123.987,56.148 ; 123.491,50.462 123.933,50.462 ; 123.977,50.506 123.977,56.138 ; 77.856,70.949 81.956,70.949 ; 77.856,70.949 77.856,73.249 ; 77.856,70.949 81.956,70.949 ; 77.856,70.949 77.856,68.649 81.956,68.649 ; 77.856,73.249 81.956,73.249 ; 77.856,73.249 77.856,74.349 85.256,74.349 85.256,73.749 91.056,73.749 91.056,74.349 98.356,74.349 98.356,73.249 ; 81.956,68.649 86.056,68.649 ; 81.956,68.649 81.956,70.949 ; 81.956,68.649 81.956,70.949 ; 81.956,70.949 86.056,70.949 ; 81.956,70.949 81.956,73.249 ; 81.956,70.949 86.056,70.949 ; 81.956,70.949 81.956,73.249 ; 81.956,73.249 86.056,73.249 ; 86.056,68.649 86.056,70.949 ; 86.056,68.649 90.156,68.649 ; 86.056,68.649 86.056,70.949 ; 86.056,70.949 86.056,73.249 ; 86.056,70.949 90.156,70.949 ; 86.056,70.949 90.156,70.949 ; 86.056,70.949 86.056,73.249 ; 86.056,73.249 90.156,73.249 ; 90.156,68.649 94.256,68.649 ; 90.156,68.649 90.156,70.949 ; 90.156,68.649 90.156,70.949 ; 90.156,70.949 94.256,70.949 ; 90.156,70.949 94.256,70.949 ; 90.156,70.949 90.156,73.249 ; 90.156,70.949 90.156,73.249 ; 90.156,73.249 94.256,73.249 ; 94.256,68.649 94.256,70.949 ; 94.256,68.649 98.356,68.649 98.356,70.949 ; 94.256,68.649 94.256,70.949 ; 94.256,70.949 94.256,73.249 ; 94.256,70.949 98.356,70.949 ; 94.256,70.949 94.256,73.249 ; 94.256,70.949 98.356,70.949 ; 94.256,73.249 98.356,73.249 ; 98.356,70.949 98.356,73.249 ; 100.251,50.833 100.251,54.836 105.251,54.836 105.251,50.214 104.142,50.214 100.869,50.214 100.251,50.833 ; 107.867,50.777 108.486,50.158 111.758,50.158 112.867,50.158 112.867,54.767 107.867,54.767 107.867,50.777
  text "! fix in rev B" at 32.409,106.344 h1.5 r345.96
  text "E" at 30.226,103.505 h1.52
  text "PROTOTY" at 41.91,103.505 h1.52
  text "Ariadna" at 69.342,102.302 h8
  text "BOARD" at 41.91,100.076 h2
  text "MODULAR SYSTEM" at 69.977,99.595 h3.2
  text "ARIADNA MODULAR SYSTEM" at 97.336,89.481 h0.8
  text "PROTOTYPE BOARD LP" at 97.282,87.63 h0.8
  text "B: REV C1  PRJ: REV A" at 97.282,86.106 h0.8
  text "Project Author:" at 97.206,84.569 h0.8
  text "ARTEM HORIUNOV" at 97.18,83.16 h0.8
  text "QC" at 97.155,81.788 h0.8
  text ".ModifiedDate" at 97.218,76.33 h1.52
  text "N/C" at 85.202,71.703 h0.8
  text "GND" at 89.202,71.703 h0.8
  text "NRST" at 81.302,71.603 h0.8
  text "3v3" at 93.302,71.603 h0.8
  text "5v" at 97.402,71.603 h0.8
  text "SWCK" at 81.302,69.403 h0.8
  text "SWIO" at 85.402,69.403 h0.8
  text "GND" at 89.202,69.303 h0.8
  text "3v3" at 93.302,69.303 h0.8
  text "5v" at 97.402,69.303 h0.8
  text "IDC10 PINOUT" at 98.202,66.403 h1.52
  text "B12 B13" at 105.221,56.762 h0.8
  text "A11 A12" at 112.775,56.692 h0.8
  text "WARNING:" at 122.934,55.679 h1
  text "RX  TX" at 105.199,55.425 h0.8
  text "RX  TX" at 112.837,55.361 h0.8
  text "CAN" at 104.796,52.87 h0.8
  text "CAN" at 112.412,52.814 h0.8
  text "TR2" at 104.765,50.851 h0.8
  text "TR1" at 112.382,50.796 h0.8
  text "ONLY ONE LINE MAY BE SOLDERED AT ONCE" at 123.252,49.942 h0.6
  text "CAN3" at 97.446,43.654 h1.2
  text "CAN2" at 104.946,43.654 h1.2
  text "CAN1" at 112.346,43.654 h1.2
  text "R103" at 97.946,41.454 h0.6
  text "R101" at 105.446,41.454 h0.6
  text "R102" at 97.946,38.854 h0.6
  text "R100" at 105.446,38.854 h0.6
Top Solder:
  rectangle: 96.5,39.5 101.6,42.1
Mechanical 1:
  circle w0.013: c75.352,95.201 r1.587
  circle w0.013: c60.112,44.401 r1.587
  circle w0.013: c32.172,44.401 r1.587
  circle w0.013: c27.092,96.501 r1.587
  lines w0.025: 25,26.797 25,126.746 125,126.746 125,26.797 25,26.797

## Text inside footprints (layer, text, board x,y; h text height)
J1: Mechanical 2 "1" at 77.892,69.285 h1 r180
J2: Mechanical 2 "1" at 25.006,81.987 h1
J5: Mechanical 2 "1" at 77.892,47.441 h1 r180
J6: Mechanical 2 "1" at 25.106,59.187 h1